# KiCad board PCB0240.kicad_pcb (continued)
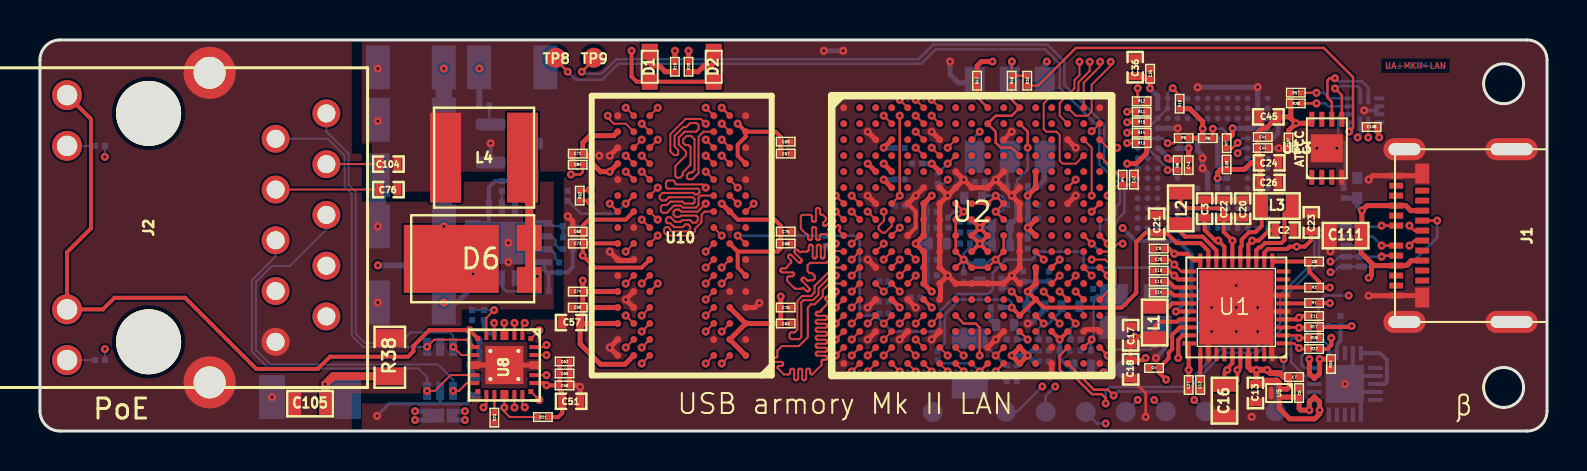
[diagram p0: board, top side]
## Routing (per net, layer and track width the routed paths; a pad name or vN(x,y) marks a point on that pad's centre or on a via; arc(x,y) is an arc through that point) (continued)
/Crystals/JTAG_TDI: length 9.9
  TOP w0.127: U2.N16 v1(51.79,6.98)
  SIGNAL_1 w0.127: v1(51.79,6.98) 54.51,4.26 56.06,4.26 56.39,3.93 56.39,3.45 55.72,2.78 v1(55.72,1.55)
  BOTTOM w0.127: TP4.1 v1(55.72,1.55)
/Crystals/JTAG_TDO: length 9.3
  TOP w0.127: U2.N15 v1(50.99,6.98)
  SIGNAL_1 w0.127: v1(50.99,6.98) 50.99,6.31 51.39,5.91 51.39,3.67 52.66,2.4 54.05,2.4 v1(54.89,1.56)
  BOTTOM w0.127: TP5.1 54.29,0.96 v1(54.89,1.56)
/Crystals/JTAG_TMS: length 5.6
  TOP w0.127: U2.P14 v1(50.99,5.38)
  SIGNAL_1 w0.127: v1(50.99,5.38) 50.61,5 50.61,3.99 50.99,3.61 50.99,2.45 v1(50.77,2.23)
  BOTTOM w0.127: v1(50.77,2.23) 50.29,1.75 TP3.1
/Crystals/RTC_XTALI: length 3
  TOP w0.127: U2.T11 v1(47.79,3.78)
  BOTTOM w0.127: Y2.1 46.94,4.63 v1(47.79,3.78) 48.27,3.3 C30.1
/Crystals/RTC_XTALO: length 3
  TOP w0.127: U2.U11 v1(47.79,2.98)
  BOTTOM w0.127: Y2.2 46.94,2.13 v1(47.79,2.98) 48.27,2.5 C31.1
/Crystals/UART2_RX: length 38.8
  TOP w0.127: U2.J16 v1(52.59,9.38) ; v1(27.09,17.98) 27.69,18.58 TP9.1
  BOTTOM w0.127: v1(27.09,17.98) 27.19,17.88 28.09,17.88 28.82,18.61 43.94,18.61 44.67,19.34 50.38,19.34 51.22,18.5 51.22,17.33 53.22,15.33 53.22,13.43 54.23,12.42 54.23,10.94 53.77,10.48 53.77,9.21 53.54,8.98 52.99,8.98 v1(52.59,9.38)
/Crystals/UART2_TX: length 38.2
  TOP w0.127: TP8.1 25.79,18.58 v1(26.39,17.98) ; U2.J17 v1(53.39,9.38)
  BOTTOM w0.127: v1(53.39,9.38) 53.01,9.76 53.01,10.43 53.15,10.57 53.54,10.57 53.81,10.83 53.81,11.21 54,11.41 54,12.32 52.97,13.36 52.97,15.19 50.99,17.17 50.99,18.37 50.26,19.1 44.79,19.1 44.07,18.38 28.92,18.38 28.12,17.58 26.79,17.58 v1(26.39,17.98)
/Crystals/XTALI: length 4.3
  TOP w0.127: v1(52.59,4.58) U2.T16
  BOTTOM w0.127: Y1.3 52.84,6.78 C28.1 52.69,6.58 52.69,4.68 v1(52.59,4.58) 52.54,4.53 R5.1
/Crystals/XTALO: length 4.2
  TOP w0.127: U2.T17 v1(53.39,3.78)
  BOTTOM w0.127: 55.67,4.2 55.89,4.43 Y1.1 ; C29.1 55.54,4.08 53.69,4.08 v1(53.39,3.78)
/DDR/DDR_ZQ: length 3.9
  TOP w0.127: U10.L8 v1(29.29,11.38)
  BOTTOM w0.127: v1(29.29,11.38) 28.79,10.88 27.04,10.88 R53.1
/DDR/DRAM_A0: length 34
  TOP w0.1: v1(33.29,13.78) U10.N3 ; U2.L5 v1(42.99,7.78)
  SIGNAL_2 w0.1: v1(33.29,13.78) 32.08,13.78 31.45,13.15 31.45,12.2 31.06,11.81 29.18,11.81 28.89,11.52 28.89,11.1 28.69,10.9 28.69,10.63 28.9,10.42 29.47,10.42 29.66,10.61 29.66,10.7 29.91,10.95 30.18,10.95 30.38,11.15 31.13,11.15 31.45,10.82 31.45,10.09 31.73,9.81 32.75,9.81 33.49,10.55 34.93,10.55 35.46,10.01 35.46,9.44 35.22,9.2 35.09,9.2 34.86,8.97 34.86,7.27 34.32,6.73 34.1,6.73 33.88,6.51 33.88,5.71 34.46,5.13 34.46,4.85 34.66,4.65 34.79,4.65 35.19,4.25 38.78,4.25 39.02,4.49 39.02,5.12 39.66,5.76 40.72,5.76 40.99,6.03 40.99,6.73 42.04,7.78 v1(42.99,7.78)
/DDR/DRAM_A1: length 34
  TOP w0.1: v1(40.59,10.98) U2.H2 ; U10.P7 v1(30.89,14.58)
  SIGNAL_2 w0.1: v1(30.89,14.58) 30.89,15.51 31.29,15.91 31.29,16.36 31.09,16.56 30.65,16.56 30.5,16.71 30.5,17.06 30.83,17.39 35.75,17.39 35.78,17.39 35.8,17.38 35.82,17.37 35.83,17.35 35.84,17.33 35.85,17.31 35.85,17.29 35.85,17.1 35.86,17.08 35.86,17.05 35.88,17.04 35.89,17.02 35.91,17.01 35.93,17 35.95,17 35.98,17 36,17.01 36.02,17.02 36.03,17.04 36.04,17.05 36.05,17.08 36.05,17.1 36.05,17.29 36.06,17.31 36.06,17.33 36.08,17.35 36.09,17.37 36.11,17.38 36.13,17.39 36.15,17.39 36.18,17.39 36.2,17.38 36.22,17.37 36.23,17.35 36.24,17.33 36.25,17.31 36.25,17.29 36.25,17.1 36.26,17.08 36.26,17.05 36.28,17.04 36.29,17.02 36.31,17.01 36.33,17 36.35,17 36.38,17 36.4,17.01 36.42,17.02 36.43,17.04 36.44,17.05 36.45,17.08 36.45,17.1 36.45,17.29 36.46,17.31 36.46,17.33 36.48,17.35 36.49,17.37 36.51,17.38 36.53,17.39 36.55,17.39 36.58,17.39 36.6,17.38 36.62,17.37 36.63,17.35 36.64,17.33 36.65,17.31 36.65,17.29 36.65,17.1 36.66,17.08 36.66,17.05 36.68,17.04 36.69,17.02 36.71,17.01 36.73,17 36.75,17 36.78,17 36.8,17.01 36.82,17.02 36.83,17.04 36.84,17.05 36.85,17.08 36.85,17.1 36.85,17.29 36.86,17.31 36.86,17.33 36.88,17.35 36.89,17.37 36.91,17.38 36.93,17.39 36.95,17.39 36.98,17.39 37,17.38 37.02,17.37 37.03,17.35 37.04,17.33 37.05,17.31 37.05,17.29 37.05,17 37.06,16.98 37.06,16.95 37.08,16.94 37.09,16.92 37.11,16.91 37.13,16.9 37.15,16.9 37.18,16.9 37.2,16.91 37.22,16.92 37.23,16.94 37.24,16.95 37.25,16.98 37.25,17 37.25,17.29 37.26,17.31 37.26,17.33 37.28,17.35 37.29,17.37 37.31,17.38 37.33,17.39 37.35,17.39 37.38,17.39 37.4,17.38 37.42,17.37 37.43,17.35 37.44,17.33 37.45,17.31 37.45,17.29 37.45,16.95 37.46,16.93 37.46,16.9 37.48,16.89 37.49,16.87 37.51,16.86 37.53,16.85 37.55,16.85 37.58,16.85 37.6,16.86 37.62,16.87 37.63,16.89 37.64,16.9 37.65,16.93 37.65,16.95 37.65,17.29 37.66,17.31 37.66,17.33 37.68,17.35 37.69,17.37 37.71,17.38 37.73,17.39 37.75,17.39 37.78,17.39 37.8,17.38 37.82,17.37 37.83,17.35 37.84,17.33 37.85,17.31 37.85,17.29 37.85,16.95 37.86,16.93 37.86,16.9 37.88,16.89 37.89,16.87 37.91,16.86 37.93,16.85 37.95,16.85 37.98,16.85 38,16.86 38.02,16.87 38.03,16.89 38.04,16.9 38.05,16.93 38.05,16.95 38.05,17.29 38.06,17.31 38.06,17.33 38.08,17.35 38.09,17.37 38.11,17.38 38.13,17.39 38.15,17.39 38.18,17.39 38.2,17.38 38.22,17.37 38.23,17.35 38.24,17.33 38.25,17.31 38.25,17.29 38.25,17.1 38.26,17.08 38.26,17.05 38.28,17.04 38.29,17.02 38.31,17.01 38.33,17 38.35,17 38.38,17 38.4,17.01 38.42,17.02 38.43,17.04 38.44,17.05 38.45,17.08 38.45,17.1 38.45,17.29 38.46,17.31 38.46,17.33 38.48,17.35 38.49,17.37 38.51,17.38 38.53,17.39 38.55,17.39 38.82,17.12 38.84,17.1 38.85,17.08 38.85,17.06 38.85,17.04 38.85,17.02 38.84,17 38.82,16.98 38.58,16.74 38.57,16.72 38.56,16.7 38.55,16.68 38.55,16.65 38.56,16.63 38.57,16.61 38.58,16.6 38.6,16.58 38.62,16.57 38.64,16.57 38.66,16.57 38.69,16.57 38.71,16.58 38.72,16.6 39.04,16.91 39.04,16.9 39.11,16.97 39.12,16.99 39.14,17 39.16,17 39.19,17 39.21,17 39.23,16.99 39.24,16.97 39.25,16.97 39.26,16.95 39.27,16.93 39.28,16.91 39.28,16.89 39.27,16.87 39.26,16.85 39.23,16.81 39.23,16.79 39.22,16.77 39.22,16.75 39.23,16.73 39.23,16.71 39.25,16.7 39.28,16.66 39.28,16.38 39.28,16.36 39.27,16.34 39.26,16.32 39.25,16.3 39.23,16.29 39.21,16.28 39.18,16.28 38.84,16.28 38.82,16.28 38.8,16.27 38.78,16.26 38.76,16.24 38.75,16.22 38.74,16.2 38.74,16.18 38.74,16.16 38.75,16.14 38.76,16.12 38.78,16.1 38.8,16.09 38.82,16.08 38.84,16.08 39.18,16.08 39.21,16.08 39.23,16.07 39.25,16.06 39.26,16.04 39.27,16.02 39.28,16 39.28,15.98 39.28,15.96 39.27,15.94 39.26,15.92 39.25,15.9 39.23,15.89 39.21,15.88 39.18,15.88 38.84,15.88 38.82,15.88 38.8,15.87 38.78,15.86 38.76,15.84 38.75,15.82 38.74,15.8 38.74,15.78 38.74,15.76 38.75,15.74 38.76,15.72 38.78,15.7 38.8,15.69 38.82,15.68 38.84,15.68 39.28,15.68 39.28,15.68 39.38,15.68 39.4,15.67 39.42,15.67 39.44,15.65 39.45,15.64 39.47,15.62 39.47,15.6 39.48,15.58 39.48,15.57 39.47,15.55 39.47,15.53 39.45,15.51 39.44,15.5 39.42,15.49 39.4,15.48 39.36,15.47 39.34,15.47 39.32,15.45 39.3,15.44 39.29,15.42 39.29,15.4 39.28,15.36 39.27,15.34 39.26,15.32 39.25,15.3 39.23,15.29 39.21,15.28 39.18,15.28 38.84,15.28 38.82,15.28 38.8,15.27 38.78,15.26 38.76,15.24 38.75,15.22 38.74,15.2 38.74,15.18 38.74,15.16 38.75,15.14 38.76,15.12 38.78,15.1 38.8,15.09 38.82,15.08 38.84,15.08 39.18,15.08 39.21,15.08 39.23,15.07 39.25,15.06 39.26,15.04 39.27,15.02 39.28,15 39.28,14.98 39.28,14.96 39.27,14.94 39.26,14.92 39.25,14.9 39.23,14.89 39.21,14.88 39.18,14.88 38.84,14.88 38.82,14.88 38.8,14.87 38.78,14.86 38.76,14.84 38.75,14.82 38.74,14.8 38.74,14.78 38.74,14.76 38.75,14.74 38.76,14.72 38.78,14.7 38.8,14.69 38.82,14.68 38.84,14.68 39.18,14.68 39.21,14.68 39.23,14.67 39.25,14.66 39.26,14.64 39.27,14.62 39.28,14.6 39.28,14.58 39.28,14.56 39.27,14.54 39.26,14.52 39.25,14.5 39.23,14.49 39.21,14.48 39.18,14.48 38.84,14.48 38.82,14.48 38.8,14.47 38.78,14.46 38.76,14.44 38.75,14.42 38.74,14.4 38.74,14.38 38.74,14.36 38.75,14.34 38.76,14.32 38.78,14.3 38.8,14.29 38.82,14.28 38.84,14.28 39.18,14.28 39.21,14.28 39.23,14.27 39.25,14.26 39.26,14.24 39.27,14.22 39.28,14.2 39.28,14.18 39.28,14.16 39.27,14.14 39.26,14.12 39.25,14.1 39.23,14.09 39.21,14.08 39.18,14.08 38.84,14.08 38.82,14.08 38.8,14.07 38.78,14.06 38.76,14.04 38.75,14.02 38.74,14 38.74,13.98 38.74,13.96 38.75,13.94 38.76,13.92 38.78,13.9 38.8,13.89 38.82,13.88 38.84,13.88 39.18,13.88 39.21,13.88 39.23,13.87 39.25,13.86 39.26,13.84 39.27,13.82 39.28,13.8 39.28,13.78 39.28,13.76 39.27,13.74 39.26,13.72 39.25,13.7 39.23,13.69 39.21,13.68 39.18,13.68 38.84,13.68 38.82,13.68 38.8,13.67 38.78,13.66 38.76,13.64 38.75,13.62 38.74,13.6 38.74,13.58 38.74,13.56 38.75,13.54 38.76,13.52 38.78,13.5 38.8,13.49 38.82,13.48 38.84,13.48 39.18,13.48 39.21,13.48 39.23,13.47 39.25,13.46 39.26,13.44 39.27,13.42 39.28,13.4 39.28,13.38 39.28,13.36 39.27,13.34 39.26,13.32 39.25,13.3 39.23,13.29 39.21,13.28 39.18,13.28 39.14,13.28 39.12,13.28 39.1,13.27 39.08,13.26 39.06,13.24 39.05,13.22 39.04,13.2 39.04,13.18 39.04,13.16 39.05,13.14 39.06,13.12 39.08,13.1 39.1,13.09 39.12,13.08 39.14,13.08 39.18,13.08 39.21,13.08 39.23,13.07 39.25,13.06 39.26,13.04 39.27,13.02 39.28,13 39.28,12.98 39.34,12.92 39.34,12.71 39.43,12.62 39.43,12.54 39.43,12.53 39.43,12.52 39.42,12.51 39.41,12.5 39.41,12.49 39.39,12.49 39.37,12.49 39.36,12.49 39.35,12.48 39.34,12.47 39.34,12.46 39.33,12.45 39.33,12.44 39.33,12.34 39.33,12.33 39.34,12.32 39.34,12.31 39.35,12.3 39.36,12.29 39.37,12.29 39.38,12.29 39.58,12.29 39.6,12.29 39.62,12.28 39.64,12.27 39.65,12.25 39.67,12.23 39.67,12.21 39.68,12.19 39.67,12.17 39.67,12.15 39.65,12.13 39.64,12.11 39.62,12.1 39.6,12.09 39.58,12.09 39.53,12.09 39.51,12.09 39.49,12.08 39.47,12.07 39.46,12.05 39.44,12.03 39.44,12.01 39.43,11.99 39.43,11.89 39.43,11.88 39.43,11.87 39.42,11.86 39.41,11.85 39.41,11.84 39.39,11.84 39.37,11.84 39.36,11.84 39.35,11.83 39.34,11.82 39.34,11.81 39.33,11.8 39.33,11.79 39.33,11.69 39.33,11.68 39.34,11.67 39.34,11.66 39.35,11.65 39.36,11.64 39.37,11.64 39.39,11.64 39.41,11.64 39.41,11.63 39.42,11.62 39.43,11.61 39.43,11.6 39.43,11.59 39.64,11.38 40.19,11.38 v1(40.59,10.98)
/DDR/DRAM_A2: length 34
  TOP w0.1: U2.K1 40.16,9.01 39.74,9.01 39.65,8.92 39.52,8.92 39.44,9 39.44,9.22 39.44,9.25 39.43,9.27 39.42,9.29 39.41,9.3 39.39,9.31 39.37,9.32 39.34,9.32 39.32,9.32 39.3,9.31 39.28,9.3 39.27,9.29 39.25,9.27 39.25,9.25 39.24,9.22 39.24,8.74 39.24,8.71 39.23,8.69 39.22,8.67 39.21,8.66 39.19,8.65 39.17,8.64 39.14,8.64 39.12,8.64 39.1,8.65 39.08,8.66 39.07,8.67 39.05,8.69 39.05,8.71 39.04,8.74 39.04,9.22 39.04,9.25 39.03,9.27 39.02,9.29 39.01,9.3 38.99,9.31 38.97,9.32 38.94,9.32 38.92,9.32 38.9,9.31 38.88,9.3 38.87,9.29 38.85,9.27 38.85,9.25 38.84,9.22 38.84,8.74 38.84,8.71 38.83,8.69 38.82,8.67 38.81,8.66 38.79,8.65 38.77,8.64 38.74,8.64 38.72,8.64 38.7,8.65 38.68,8.66 38.67,8.67 38.65,8.69 38.65,8.71 38.64,8.74 38.64,9.22 38.64,9.25 38.63,9.27 38.62,9.29 38.61,9.3 38.59,9.31 38.57,9.32 38.54,9.32 38.52,9.32 38.5,9.31 38.48,9.3 38.47,9.29 38.45,9.27 38.45,9.25 38.44,9.22 38.44,9.08 38.44,9.06 38.43,9.04 38.42,9.02 38.41,9 38.39,8.99 38.37,8.98 38.34,8.98 38.1,8.98 38.09,8.97 38.07,8.96 38.04,8.95 38.02,8.95 38,8.96 37.98,8.97 37.96,8.98 37.9,9.05 37.88,9.06 37.86,9.07 37.84,9.07 37.81,9.07 37.79,9.07 37.77,9.06 37.76,9.05 37.74,9.03 37.73,9.01 37.73,8.99 37.73,8.96 37.73,8.94 37.74,8.92 37.76,8.9 38.06,8.6 38.08,8.58 38.09,8.56 38.09,8.54 38.09,8.51 38.09,8.49 38.08,8.47 38.06,8.45 38.05,8.44 38.03,8.43 38,8.43 37.98,8.43 37.96,8.43 37.94,8.44 37.92,8.45 37.58,8.8 37.56,8.81 37.54,8.82 37.52,8.83 37.5,8.83 37.47,8.82 37.45,8.81 37.44,8.8 37.42,8.78 37.41,8.76 37.41,8.74 37.41,8.72 37.41,8.69 37.42,8.67 37.44,8.66 37.54,8.56 37.55,8.54 37.56,8.52 37.57,8.5 37.57,8.47 37.56,8.45 37.55,8.43 37.54,8.41 37.36,8.24 37.36,8.22 37.35,8.2 37.34,8.18 37.33,8.16 37.31,8.15 37.29,8.14 37.26,8.14 37.12,8.14 37.1,8.14 37.08,8.13 37.06,8.12 37.04,8.1 37.03,8.08 37.02,8.06 37.02,8.04 37.02,8.02 37.03,8 37.04,7.98 37.06,7.96 37.08,7.95 37.1,7.94 37.12,7.94 37.61,7.94 37.63,7.94 37.65,7.93 37.67,7.92 37.68,7.9 37.7,7.88 37.7,7.86 37.71,7.84 37.7,7.82 37.7,7.8 37.68,7.78 37.67,7.76 37.65,7.75 37.63,7.74 37.61,7.74 37.46,7.74 37.44,7.74 37.42,7.73 37.4,7.72 37.39,7.7 37.37,7.68 37.37,7.66 37.36,7.64 37.36,7.51 37.75,7.12 38.07,7.12 38.09,7.13 38.11,7.14 38.13,7.15 38.16,7.15 38.18,7.14 38.2,7.13 38.21,7.12 38.32,7.02 38.33,7.01 38.35,7 38.38,6.99 38.4,6.99 38.42,7 38.44,7.01 38.46,7.02 38.47,7.04 38.48,7.06 38.49,7.08 38.49,7.1 38.48,7.12 38.47,7.14 38.46,7.16 38.11,7.5 38.1,7.52 38.09,7.54 38.09,7.56 38.09,7.59 38.09,7.61 38.1,7.63 38.11,7.65 38.13,7.66 38.15,7.67 38.17,7.67 38.2,7.67 38.22,7.67 38.24,7.66 38.26,7.65 38.36,7.54 38.37,7.53 38.39,7.52 38.42,7.52 38.44,7.52 38.46,7.52 38.48,7.53 38.5,7.54 38.67,7.54 38.74,7.62 38.74,7.76 38.6,7.9 38.48,7.9 38.38,8 38.38,8.29 38.51,8.42 39.33,8.42 39.49,8.58 v1(39.79,8.58) ; v1(33.29,14.58) U10.P3
  SIGNAL_2 w0.1: v1(33.29,14.58) 33.44,14.43 33.44,14.25 33.34,14.15 33.16,14.15 33.09,14.08 33.01,14.08 32.89,14.2 32.89,14.63 32.94,14.68 32.94,14.91 32.89,14.96 32.77,14.96 32.69,14.88 32.69,14.08 32.59,13.98 32.42,13.98 32.37,14.03 32.37,14.12 32.48,14.23 32.48,15.31 32.68,15.5 32.82,15.5 32.93,15.39 32.93,15.24 33.22,14.95 33.44,14.95 33.69,14.7 33.69,14.46 33.97,14.18 34.23,14.18 34.51,13.9 34.51,13.6 34.73,13.38 35.35,13.38 35.54,13.19 36.35,13.19 37.6,11.93 37.6,11.02 38.16,10.46 38.16,10.46 39.01,9.61 39.51,9.61 39.68,9.78 40.78,9.78 40.96,9.6 40.96,9.14 40.8,8.98 U2.K1 v1(39.79,8.58)
/DDR/DRAM_A3: length 34
  TOP w0.1: v1(34.09,13.78) U10.N2 ; U2.M2 v1(40.59,6.98)
  SIGNAL_2 w0.1: v1(40.59,6.98) 40.95,6.98 41.56,7.59 41.56,7.81 41.4,7.97 41.16,7.97 40.98,7.79 40.98,7.56 40.8,7.38 39.67,7.38 39.47,7.18 38.56,7.18 38.09,6.71 37.8,6.71 37.64,6.86 37.64,8.29 37.38,8.56 36.39,8.56 36.32,8.63 36.32,8.81 36.77,9.26 36.77,11.63 36.03,12.38 35.2,12.38 35.01,12.57 34.32,12.57 34.05,12.31 34.05,11.95 34.25,11.75 34.37,11.75 34.49,11.63 34.49,11 34.24,10.75 33.4,10.75 33.23,10.58 33.21,10.56 33.19,10.55 33.17,10.55 33.15,10.55 33.13,10.55 33.11,10.56 33.09,10.58 32.95,10.72 32.93,10.73 32.91,10.74 32.89,10.75 32.87,10.75 32.84,10.74 32.82,10.73 32.81,10.72 32.79,10.7 32.78,10.68 32.78,10.66 32.78,10.64 32.78,10.61 32.79,10.59 32.81,10.58 32.95,10.43 32.96,10.42 32.97,10.4 32.98,10.37 32.98,10.35 32.97,10.33 32.96,10.31 32.95,10.29 32.93,10.28 32.91,10.27 32.89,10.26 32.87,10.26 32.84,10.27 32.82,10.28 32.81,10.29 32.66,10.43 32.65,10.45 32.63,10.46 32.61,10.46 32.58,10.46 32.56,10.46 32.54,10.45 32.52,10.43 32.51,10.42 32.5,10.4 32.49,10.37 32.49,10.35 32.5,10.33 32.51,10.31 32.52,10.29 32.66,10.15 32.68,10.13 32.69,10.11 32.69,10.09 32.69,10.07 32.69,10.05 32.68,10.03 32.66,10.01 32.22,10.01 32.2,10.01 32.18,10.02 32.16,10.03 32.15,10.05 32.13,10.07 32.13,10.09 32.12,10.11 32.12,10.21 32.12,10.23 32.11,10.25 32.1,10.27 32.09,10.29 32.07,10.3 32.05,10.31 32.02,10.31 32,10.31 31.98,10.3 31.96,10.29 31.95,10.27 31.93,10.25 31.93,10.23 31.92,10.21 31.92,10.11 31.92,10.09 31.91,10.07 31.9,10.05 31.89,10.03 31.87,10.02 31.85,10.01 31.82,10.01 31.65,10.18 31.65,10.51 31.66,10.53 31.66,10.55 31.68,10.57 31.69,10.58 31.71,10.6 31.73,10.6 31.75,10.61 31.95,10.61 31.98,10.61 32,10.62 32.02,10.63 32.03,10.64 32.04,10.66 32.05,10.68 32.05,10.71 32.05,10.73 32.04,10.75 32.03,10.77 32.02,10.78 32,10.8 31.98,10.8 31.95,10.81 31.75,10.81 31.73,10.81 31.71,10.82 31.69,10.83 31.68,10.84 31.66,10.86 31.66,10.88 31.65,10.91 31.21,11.35 30.3,11.35 30.11,11.16 29.78,11.16 29.67,11.27 29.67,11.5 29.78,11.61 31.15,11.61 31.65,12.12 31.65,12.47 31.65,12.48 31.66,12.49 31.66,12.5 31.67,12.51 31.68,12.51 31.69,12.52 31.71,12.52 31.73,12.52 31.73,12.53 31.74,12.54 31.75,12.55 31.75,12.56 31.75,12.57 31.75,12.67 31.75,12.68 31.75,12.69 31.74,12.7 31.73,12.71 31.73,12.71 31.71,12.72 31.69,12.72 31.68,12.72 31.67,12.73 31.66,12.74 31.66,12.75 31.65,12.76 31.65,12.77 31.65,12.78 31.66,12.79 31.66,12.8 31.67,12.81 31.68,12.81 31.69,12.82 31.71,12.82 31.73,12.82 31.73,12.83 31.74,12.84 31.75,12.85 31.75,12.86 31.75,12.87 31.75,12.97 31.75,12.98 31.75,12.99 31.74,13 31.73,13.01 31.73,13.01 31.71,13.02 31.69,13.02 31.68,13.02 31.67,13.03 31.66,13.04 31.66,13.05 31.65,13.06 31.65,13.07 31.95,13.37 31.96,13.37 31.97,13.38 31.98,13.38 32,13.38 32.01,13.38 32.02,13.37 32.03,13.36 32.04,13.36 32.05,13.35 32.07,13.35 32.08,13.36 32.09,13.36 32.1,13.37 32.17,13.44 32.17,13.45 32.18,13.46 32.18,13.47 32.18,13.48 32.18,13.49 32.17,13.5 32.16,13.52 32.15,13.53 32.15,13.54 32.15,13.55 32.15,13.56 32.16,13.57 32.17,13.58 32.57,13.58 32.6,13.58 32.62,13.57 32.64,13.56 32.65,13.54 32.66,13.52 32.67,13.5 32.67,13.48 32.67,13.31 32.68,13.29 32.68,13.27 32.7,13.25 32.71,13.24 32.73,13.22 32.75,13.22 32.77,13.21 32.8,13.22 32.82,13.22 32.84,13.24 32.85,13.25 32.86,13.27 32.87,13.29 32.87,13.31 32.87,13.48 32.88,13.5 32.88,13.52 32.9,13.54 32.91,13.56 32.93,13.57 32.95,13.58 32.97,13.58 33.18,13.37 33.68,13.37 v1(34.09,13.78)
/DDR/DRAM_A4: length 35.2
  TOP w0.1: v1(42.19,8.58) U2.K4 ; U10.P8 v1(30.09,14.58)
  SIGNAL_2 w0.1: v1(30.09,14.58) 29.07,14.58 28.03,15.62 28.03,17.55 28.87,18.39 43.63,18.39 43.99,18.03 43.99,17.46 43.35,16.82 43.35,13.36 43.36,13.34 43.36,13.32 43.38,13.3 43.39,13.28 43.41,13.27 43.43,13.26 43.45,13.26 43.55,13.26 43.57,13.26 43.6,13.25 43.61,13.24 43.63,13.22 43.64,13.2 43.65,13.18 43.65,13.16 43.65,13.14 43.64,13.12 43.63,13.1 43.61,13.08 43.6,13.07 43.57,13.06 43.55,13.06 43.16,13.06 43.13,13.06 43.11,13.05 43.09,13.04 43.08,13.02 43.07,13 43.06,12.98 43.06,12.96 43.06,12.94 43.07,12.92 43.08,12.9 43.09,12.88 43.11,12.87 43.13,12.86 43.16,12.86 43.55,12.86 43.57,12.86 43.6,12.85 43.61,12.84 43.63,12.82 43.64,12.8 43.65,12.78 43.65,12.76 43.65,12.74 43.64,12.72 43.63,12.7 43.61,12.68 43.6,12.67 43.57,12.66 43.55,12.66 43.16,12.66 43.13,12.66 43.11,12.65 43.09,12.64 43.08,12.62 43.07,12.6 43.06,12.58 43.06,12.56 43.06,12.54 43.07,12.52 43.08,12.5 43.09,12.48 43.11,12.47 43.13,12.46 43.16,12.46 43.55,12.46 43.57,12.46 43.6,12.45 43.61,12.44 43.63,12.42 43.64,12.4 43.65,12.38 43.65,12.36 43.65,12.34 43.64,12.32 43.63,12.3 43.61,12.28 43.6,12.27 43.57,12.26 43.55,12.26 43.25,12.26 43.23,12.26 43.21,12.25 43.19,12.24 43.18,12.22 43.16,12.2 43.16,12.18 43.16,12.16 43.16,12.14 43.16,12.12 43.18,12.1 43.19,12.08 43.21,12.07 43.23,12.06 43.25,12.06 43.4,12.06 43.41,12.06 43.43,12.06 43.43,12.05 43.44,12.04 43.45,12.03 43.45,12.02 43.45,12.01 43.45,11.91 43.45,11.9 43.45,11.89 43.44,11.88 43.43,11.87 43.43,11.86 43.41,11.86 43.39,11.86 43.38,11.86 43.37,11.85 43.36,11.84 43.36,11.83 43.35,11.82 43.35,11.81 43.35,10.03 42.63,9.31 42.63,9.02 v1(42.19,8.58)
/DDR/DRAM_A5: length 34
  TOP w0.1: v1(39.79,7.78) 39.56,7.78 38.93,7.15 38.93,6.83 38.65,6.55 38.18,6.55 38.07,6.44 38.07,4.7 37.97,4.6 37.56,4.6 37.48,4.68 37.48,4.87 37.55,4.94 37.74,4.94 37.87,5.07 37.87,6.52 38.1,6.75 38.55,6.75 38.73,6.93 38.73,7.25 39.66,8.18 U2.L1 ; U10.P2 v1(34.09,14.58)
  SIGNAL_2 w0.1: v1(39.79,7.78) U2.L1 40.75,8.18 40.99,8.42 40.99,8.72 41.17,8.9 41.17,9.72 40.89,10.01 38.93,10.01 37.84,11.09 37.84,11.98 36.55,13.27 36.55,14.72 36.54,14.74 36.53,14.76 36.51,14.77 36.49,14.78 36.46,14.78 36.44,14.78 36.42,14.77 36.4,14.76 36.39,14.74 36.37,14.72 36.37,14.7 36.36,14.68 36.36,13.68 36.36,13.66 36.35,13.64 36.34,13.62 36.33,13.6 36.31,13.59 36.29,13.58 36.26,13.58 36.24,13.58 36.22,13.59 36.2,13.6 36.19,13.62 36.17,13.64 36.17,13.66 36.16,13.68 36.16,14.68 36.16,14.7 36.15,14.72 36.14,14.74 36.13,14.76 36.11,14.77 36.09,14.78 36.06,14.78 36.04,14.78 36.02,14.77 36,14.76 35.99,14.74 35.97,14.72 35.97,14.7 35.96,14.68 35.96,13.68 35.96,13.66 35.95,13.64 35.94,13.62 35.93,13.6 35.91,13.59 35.89,13.58 35.86,13.58 35.84,13.58 35.82,13.59 35.8,13.6 35.79,13.62 35.77,13.64 35.77,13.66 35.76,13.68 35.76,14.68 35.76,14.7 35.75,14.72 35.74,14.74 35.73,14.76 35.71,14.77 35.69,14.78 35.66,14.78 35.64,14.78 35.62,14.77 35.6,14.76 35.59,14.74 35.57,14.72 35.57,14.7 35.56,14.68 35.56,13.68 35.56,13.66 35.55,13.64 35.54,13.62 35.53,13.6 35.51,13.59 35.49,13.58 35.46,13.58 35.44,13.58 35.42,13.59 35.4,13.6 35.39,13.62 35.37,13.64 35.37,13.66 35.36,13.68 35.36,14.68 35.36,14.7 35.35,14.72 35.34,14.74 35.33,14.76 35.31,14.77 35.29,14.78 35.26,14.78 35.24,14.78 35.22,14.77 35.2,14.76 35.19,14.74 35.17,14.72 35.17,14.7 35.16,14.68 35.16,13.73 35.16,13.71 35.15,13.69 35.14,13.67 35.13,13.65 35.11,13.64 35.09,13.63 35.06,13.63 35.04,13.63 35.02,13.64 35,13.65 34.99,13.67 34.97,13.69 34.97,13.71 34.96,13.73 34.96,14.68 34.96,14.7 34.95,14.72 34.94,14.74 34.93,14.76 34.91,14.77 34.89,14.78 34.86,14.78 34.84,14.78 34.82,14.77 34.8,14.76 34.79,14.74 34.77,14.72 34.77,14.7 34.76,14.68 34.76,14.18 34.76,14.16 34.75,14.14 34.74,14.12 34.73,14.1 34.71,14.09 34.69,14.08 34.66,14.08 34.64,14.08 34.62,14.09 34.6,14.1 34.59,14.12 34.57,14.14 34.57,14.16 34.56,14.18 34.56,14.48 34.56,14.5 34.55,14.52 34.54,14.54 34.53,14.56 34.51,14.57 34.49,14.58 34.46,14.58 v1(34.09,14.58)
/DDR/DRAM_A6: length 32.9
  TOP w0.1: v1(28.39,15.78) 28.39,15.68 28.69,15.38 29.29,15.38 U10.R8 ; v1(40.59,11.78) 40.6,11.78 U2.G2
  SIGNAL_2 w0.1: v1(40.59,11.78) 40.96,12.14 40.96,14.85 40.95,14.86 40.95,15.02 40.95,15.03 40.96,15.04 40.96,15.05 40.97,15.05 40.98,15.06 40.99,15.06 41.01,15.07 41.03,15.07 41.03,15.08 41.04,15.08 41.05,15.09 41.05,15.1 41.05,15.11 41.05,15.22 41.05,15.23 41.05,15.24 41.04,15.25 41.03,15.25 41.03,15.26 41.01,15.26 41,15.27 40.85,15.27 40.83,15.27 40.81,15.27 40.79,15.29 40.78,15.3 40.76,15.32 40.76,15.34 40.75,15.36 40.76,15.39 40.76,15.41 40.78,15.43 40.79,15.44 40.81,15.46 40.83,15.46 40.85,15.47 41,15.47 41.01,15.47 41.03,15.47 41.03,15.48 41.04,15.48 41.05,15.49 41.05,15.5 41.05,15.52 41.05,15.61 41.05,15.63 41.05,15.64 41.04,15.65 41.03,15.65 41.03,15.66 41.01,15.66 40.99,15.67 40.98,15.67 40.97,15.68 40.96,15.68 40.96,15.69 40.95,15.7 40.95,15.72 40.95,16.36 40.97,16.37 40.98,16.38 41,16.38 41.01,16.38 41.03,16.38 41.05,16.37 41.07,16.35 41.09,16.34 41.1,16.34 41.12,16.34 41.14,16.34 41.15,16.35 41.17,16.36 41.2,16.4 41.21,16.41 41.22,16.42 41.22,16.44 41.22,16.46 41.22,16.47 41.21,16.49 41.2,16.5 41.01,16.7 40.99,16.71 40.98,16.73 40.98,16.76 40.98,16.78 40.98,16.8 40.99,16.82 41.01,16.84 41.02,16.85 41.04,16.86 41.07,16.87 41.09,16.87 41.11,16.86 41.13,16.85 41.15,16.84 41.22,16.77 41.24,16.75 41.26,16.74 41.28,16.74 41.3,16.74 41.32,16.74 41.34,16.75 41.36,16.77 41.4,16.81 41.85,16.81 41.87,16.82 41.89,16.83 41.91,16.84 41.94,16.84 41.96,16.83 41.98,16.82 41.99,16.81 42.03,16.77 42.05,16.76 42.07,16.75 42.09,16.75 42.11,16.75 42.13,16.75 42.15,16.76 42.17,16.77 42.19,16.79 42.2,16.81 42.2,16.83 42.2,16.86 42.2,16.88 42.19,16.9 42.17,16.92 41.92,17.16 41.91,17.18 41.9,17.2 41.9,17.22 41.9,17.25 41.9,17.27 41.91,17.29 41.92,17.3 41.94,17.32 41.96,17.33 41.98,17.33 42.01,17.33 42.03,17.33 42.05,17.32 42.07,17.3 42.14,17.23 42.15,17.22 42.17,17.21 42.2,17.21 42.22,17.21 42.24,17.21 42.26,17.22 42.28,17.23 42.33,17.29 42.33,17.67 42.21,17.79 42.2,17.79 42.18,17.78 42.17,17.77 42.15,17.76 42.15,17.75 42.14,17.73 42.14,17.7 42.13,17.68 42.12,17.67 42.11,17.66 42.1,17.65 42.08,17.64 42.06,17.64 42.01,17.64 42,17.64 41.98,17.65 41.97,17.66 41.95,17.67 41.95,17.68 41.94,17.7 41.94,17.73 41.93,17.75 41.92,17.76 41.91,17.77 41.9,17.78 41.88,17.79 41.86,17.79 41.81,17.79 41.79,17.79 41.77,17.78 41.75,17.77 41.74,17.75 41.72,17.73 41.72,17.71 41.71,17.69 41.71,17.59 41.71,17.57 41.7,17.55 41.69,17.53 41.68,17.51 41.66,17.5 41.64,17.49 41.61,17.49 41.59,17.49 41.57,17.5 41.55,17.51 41.54,17.53 41.52,17.55 41.52,17.57 41.51,17.59 41.51,17.69 41.51,17.71 41.5,17.73 41.49,17.75 41.48,17.77 41.46,17.78 41.44,17.79 41.41,17.79 41.39,17.79 41.37,17.78 41.35,17.77 41.34,17.75 41.32,17.73 41.32,17.71 41.31,17.69 41.31,17.59 41.31,17.57 41.3,17.55 41.29,17.53 41.28,17.51 41.26,17.5 41.24,17.49 41.21,17.49 41.19,17.49 41.17,17.5 41.15,17.51 41.14,17.53 41.12,17.55 41.12,17.57 41.11,17.59 41.11,17.69 41.11,17.71 41.1,17.73 41.09,17.75 41.08,17.77 41.06,17.78 41.04,17.79 41.01,17.79 40.99,17.79 40.97,17.78 40.95,17.77 40.94,17.75 40.92,17.73 40.92,17.71 40.91,17.69 40.91,17.59 40.91,17.57 40.9,17.55 40.89,17.53 40.88,17.51 40.86,17.5 40.84,17.49 40.81,17.49 40.79,17.49 40.77,17.5 40.75,17.51 40.74,17.53 40.72,17.55 40.72,17.57 40.71,17.59 40.71,17.69 40.71,17.71 40.7,17.73 40.69,17.75 40.68,17.77 40.66,17.78 40.64,17.79 40.61,17.79 40.59,17.79 40.57,17.78 40.55,17.77 40.54,17.75 40.52,17.73 40.52,17.71 40.51,17.69 40.51,17.59 40.51,17.57 40.5,17.55 40.49,17.53 40.48,17.51 40.46,17.5 40.44,17.49 40.41,17.49 40.39,17.49 40.37,17.5 40.35,17.51 40.34,17.53 40.32,17.55 40.32,17.57 40.31,17.59 40.31,17.69 40.31,17.71 40.3,17.73 40.29,17.75 40.28,17.77 40.26,17.78 40.24,17.79 40.21,17.79 40.19,17.79 40.17,17.78 40.15,17.77 40.14,17.75 40.12,17.73 40.12,17.71 40.11,17.69 40.11,17.59 40.11,17.57 40.1,17.55 40.09,17.53 40.08,17.51 40.06,17.5 40.04,17.49 40.01,17.49 39.99,17.49 39.97,17.5 39.95,17.51 39.94,17.53 39.92,17.55 39.92,17.57 39.91,17.59 39.91,17.69 39.91,17.71 39.9,17.73 39.89,17.75 39.88,17.77 39.86,17.78 39.84,17.79 39.81,17.79 39.79,17.79 39.77,17.78 39.75,17.77 39.74,17.75 39.72,17.73 39.72,17.71 39.71,17.69 39.71,17.59 39.71,17.57 39.7,17.55 39.69,17.53 39.68,17.51 39.66,17.5 39.64,17.49 39.61,17.49 39.59,17.49 39.57,17.5 39.55,17.51 39.54,17.53 39.52,17.55 39.52,17.57 39.51,17.59 39.51,17.69 39.51,17.71 39.5,17.73 39.49,17.75 39.48,17.77 39.46,17.78 39.44,17.79 39.41,17.79 29.34,17.79 29.15,17.6 29.15,16.96 29.32,16.79 29.75,16.79 29.99,16.54 29.99,16.02 30.45,15.56 30.45,15.22 30.23,15 29.17,15 v1(28.39,15.78)
/DDR/DRAM_A7: length 34
  TOP w0.1: v1(42.19,10.98) 42.2,10.97 42.2,10.52 41.93,10.25 41.93,10.11 42.11,9.93 42.26,9.93 42.59,10.26 U2.H4 ; v1(34.09,15.38) U10.R2
  SIGNAL_2 w0.1: v1(34.09,15.38) 34.47,15.76 34.87,15.76 34.9,15.76 34.92,15.77 34.94,15.78 34.95,15.8 34.96,15.82 34.97,15.84 34.97,15.86 34.97,16.26 34.98,16.28 34.98,16.3 35,16.32 35.01,16.34 35.03,16.35 35.05,16.36 35.07,16.36 35.1,16.36 35.12,16.35 35.14,16.34 35.15,16.32 35.16,16.3 35.17,16.28 35.17,16.26 35.17,15.66 35.18,15.64 35.18,15.62 35.2,15.6 35.21,15.58 35.23,15.57 35.25,15.56 35.27,15.56 35.3,15.56 35.32,15.57 35.34,15.58 35.35,15.6 35.36,15.62 35.37,15.64 35.37,15.66 35.37,16.26 35.38,16.28 35.38,16.3 35.4,16.32 35.41,16.34 35.43,16.35 35.45,16.36 35.47,16.36 35.5,16.36 35.52,16.35 35.54,16.34 35.55,16.32 35.56,16.3 35.57,16.28 35.57,16.26 35.57,15.31 35.58,15.29 35.58,15.27 35.6,15.25 35.61,15.23 35.63,15.22 35.65,15.21 35.67,15.21 35.7,15.21 35.72,15.22 35.74,15.23 35.75,15.25 35.76,15.27 35.77,15.29 35.77,15.31 35.77,16.26 35.78,16.28 35.78,16.3 35.8,16.32 35.81,16.34 35.83,16.35 35.85,16.36 35.87,16.36 35.9,16.36 35.92,16.35 35.94,16.34 35.95,16.32 35.96,16.3 35.97,16.28 35.97,16.26 35.97,16.06 35.98,16.04 35.98,16.02 36,16 36.01,15.98 36.03,15.97 36.05,15.96 36.07,15.96 36.31,15.96 36.33,15.94 36.34,15.92 36.34,15.9 36.34,15.88 36.34,15.86 36.33,15.84 36.31,15.82 36.03,15.54 36.02,15.52 36.01,15.5 36,15.48 36,15.45 36.01,15.43 36.02,15.41 36.03,15.39 36.05,15.38 36.07,15.37 36.09,15.37 36.11,15.37 36.13,15.37 36.15,15.38 36.17,15.39 36.67,15.89 36.68,15.9 36.7,15.91 36.73,15.92 36.75,15.92 36.77,15.91 36.79,15.9 36.81,15.89 36.82,15.87 36.83,15.85 36.84,15.83 36.84,15.81 36.83,15.79 36.82,15.77 36.81,15.75 36.42,15.36 36.41,15.34 36.4,15.32 36.39,15.3 36.39,15.28 36.4,15.26 36.41,15.24 36.42,15.22 36.44,15.2 36.46,15.19 36.48,15.19 36.5,15.19 36.52,15.19 36.54,15.2 36.56,15.22 36.95,15.61 36.97,15.62 36.99,15.63 37.01,15.64 37.03,15.64 37.05,15.63 37.07,15.62 37.09,15.61 37.11,15.59 37.11,15.57 37.12,15.55 37.12,15.52 37.11,15.5 37.11,15.48 37.09,15.47 36.84,15.22 36.83,15.2 36.82,15.18 36.82,15.16 36.82,15.14 36.82,15.11 36.83,15.09 36.84,15.08 36.86,15.06 36.88,15.05 36.9,15.05 36.93,15.05 36.95,15.05 36.97,15.06 36.99,15.08 37.23,15.32 37.25,15.34 37.27,15.35 37.29,15.35 37.31,15.35 37.34,15.35 37.36,15.34 37.37,15.32 37.39,15.31 37.4,15.29 37.4,15.26 37.4,15.24 37.4,15.22 37.39,15.2 37.37,15.18 37.3,15.11 37.29,15.09 37.28,15.07 37.27,15.05 37.27,15.03 37.28,15.01 37.29,14.99 37.3,14.97 37.45,14.82 37.45,14.8 37.44,14.78 37.43,14.76 37.42,14.74 37.4,14.73 37.38,14.72 37.35,14.72 37.2,14.72 37.18,14.72 37.16,14.71 37.14,14.7 37.13,14.68 37.11,14.66 37.11,14.64 37.1,14.62 37.11,14.6 37.11,14.58 37.13,14.56 37.14,14.54 37.16,14.53 37.18,14.52 37.2,14.52 37.75,14.52 37.78,14.52 37.8,14.51 37.82,14.5 37.83,14.48 37.84,14.46 37.85,14.44 37.85,14.42 37.85,14.4 37.84,14.38 37.83,14.36 37.82,14.34 37.8,14.33 37.78,14.32 37.75,14.32 37.2,14.32 37.18,14.32 37.16,14.31 37.14,14.3 37.13,14.28 37.11,14.26 37.11,14.24 37.1,14.22 37.11,14.2 37.11,14.18 37.13,14.16 37.14,14.14 37.16,14.13 37.18,14.12 37.2,14.12 37.75,14.12 37.78,14.12 37.8,14.11 37.82,14.1 37.83,14.08 37.84,14.06 37.85,14.04 37.85,14.02 37.85,14 37.84,13.98 37.83,13.96 37.82,13.94 37.8,13.93 37.78,13.92 37.75,13.92 37.2,13.92 37.18,13.92 37.16,13.91 37.14,13.9 37.13,13.88 37.11,13.86 37.11,13.84 37.1,13.82 37.11,13.8 37.11,13.78 37.13,13.76 37.14,13.74 37.16,13.73 37.18,13.72 37.2,13.72 37.35,13.72 37.38,13.72 37.4,13.71 37.42,13.7 37.43,13.68 37.44,13.66 37.45,13.64 37.45,13.62 37.45,13.35 37.47,13.33 37.48,13.31 37.48,13.29 37.48,13.27 37.48,13.25 37.47,13.23 37.45,13.21 37.42,13.17 37.4,13.16 37.39,13.14 37.39,13.11 37.39,13.09 37.39,13.07 37.4,13.05 37.42,13.03 37.44,13.02 37.46,13.01 37.48,13 37.5,13 37.52,13.01 37.54,13.02 37.56,13.03 37.81,13.28 37.82,13.29 37.84,13.3 37.87,13.31 37.89,13.31 37.91,13.3 37.93,13.29 37.95,13.28 37.96,13.26 37.97,13.24 37.98,13.22 37.98,13.2 37.97,13.18 37.96,13.16 37.95,13.14 37.7,12.89 37.69,12.87 37.68,12.85 37.67,12.83 37.67,12.81 37.68,12.79 37.69,12.77 37.7,12.75 37.72,12.74 37.74,12.73 37.76,12.72 37.78,12.72 37.8,12.73 37.82,12.74 37.84,12.75 38.09,13 38.11,13.01 38.13,13.02 38.15,13.03 38.17,13.03 38.19,13.02 38.21,13.01 38.23,13 38.25,12.98 38.25,12.96 38.26,12.94 38.26,12.91 38.25,12.89 38.25,12.87 38.23,12.86 37.98,12.61 37.97,12.59 37.96,12.57 37.96,12.55 37.96,12.53 37.96,12.5 37.97,12.48 37.98,12.47 38,12.45 38.02,12.44 38.04,12.44 38.07,12.44 38.09,12.44 38.11,12.45 38.13,12.47 38.16,12.5 38.18,12.52 38.2,12.53 38.22,12.53 38.24,12.53 38.26,12.53 38.28,12.52 38.3,12.5 38.51,12.29 38.51,12.27 38.5,12.25 38.49,12.23 38.48,12.21 38.46,12.2 38.44,12.19 38.39,12.19 38.37,12.18 38.35,12.17 38.34,12.15 38.32,12.13 38.32,12.11 38.31,12.09 38.32,12.07 38.32,12.05 38.34,12.03 38.35,12.01 38.37,12 38.39,11.99 38.41,11.99 38.59,11.99 38.61,11.99 38.62,11.98 38.64,11.97 38.65,11.96 38.66,11.95 38.66,11.93 38.66,11.91 38.66,11.86 38.66,11.85 38.66,11.83 38.65,11.82 38.64,11.81 38.62,11.8 38.61,11.79 38.59,11.79 38.41,11.79 38.39,11.79 38.37,11.78 38.35,11.77 38.34,11.75 38.32,11.73 38.32,11.71 38.31,11.69 38.32,11.67 38.32,11.65 38.34,11.63 38.35,11.61 38.37,11.6 38.39,11.59 38.41,11.59 38.59,11.59 38.61,11.59 38.62,11.58 38.64,11.57 38.65,11.56 38.66,11.55 38.66,11.53 38.66,11.52 38.66,11.47 38.66,11.45 38.66,11.43 38.65,11.42 38.64,11.41 38.62,11.4 38.61,11.39 38.57,11.39 38.56,11.38 38.54,11.37 38.53,11.36 38.52,11.35 38.52,11.33 38.51,11.31 38.51,11.22 39.32,10.41 41.15,10.41 41.41,10.15 41.47,10.15 41.54,10.22 41.54,10.35 41.43,10.46 41.43,10.55 41.54,10.66 41.69,10.66 41.79,10.56 41.79,9.87 41.59,9.67 41.59,9.18 41.88,8.89 42,8.89 42.04,8.93 42.04,9.03 41.83,9.24 41.83,9.53 41.99,9.69 41.99,10.78 v1(42.19,10.98)